# Allegro board pc051c_toplevel_209edited.brd (continued)
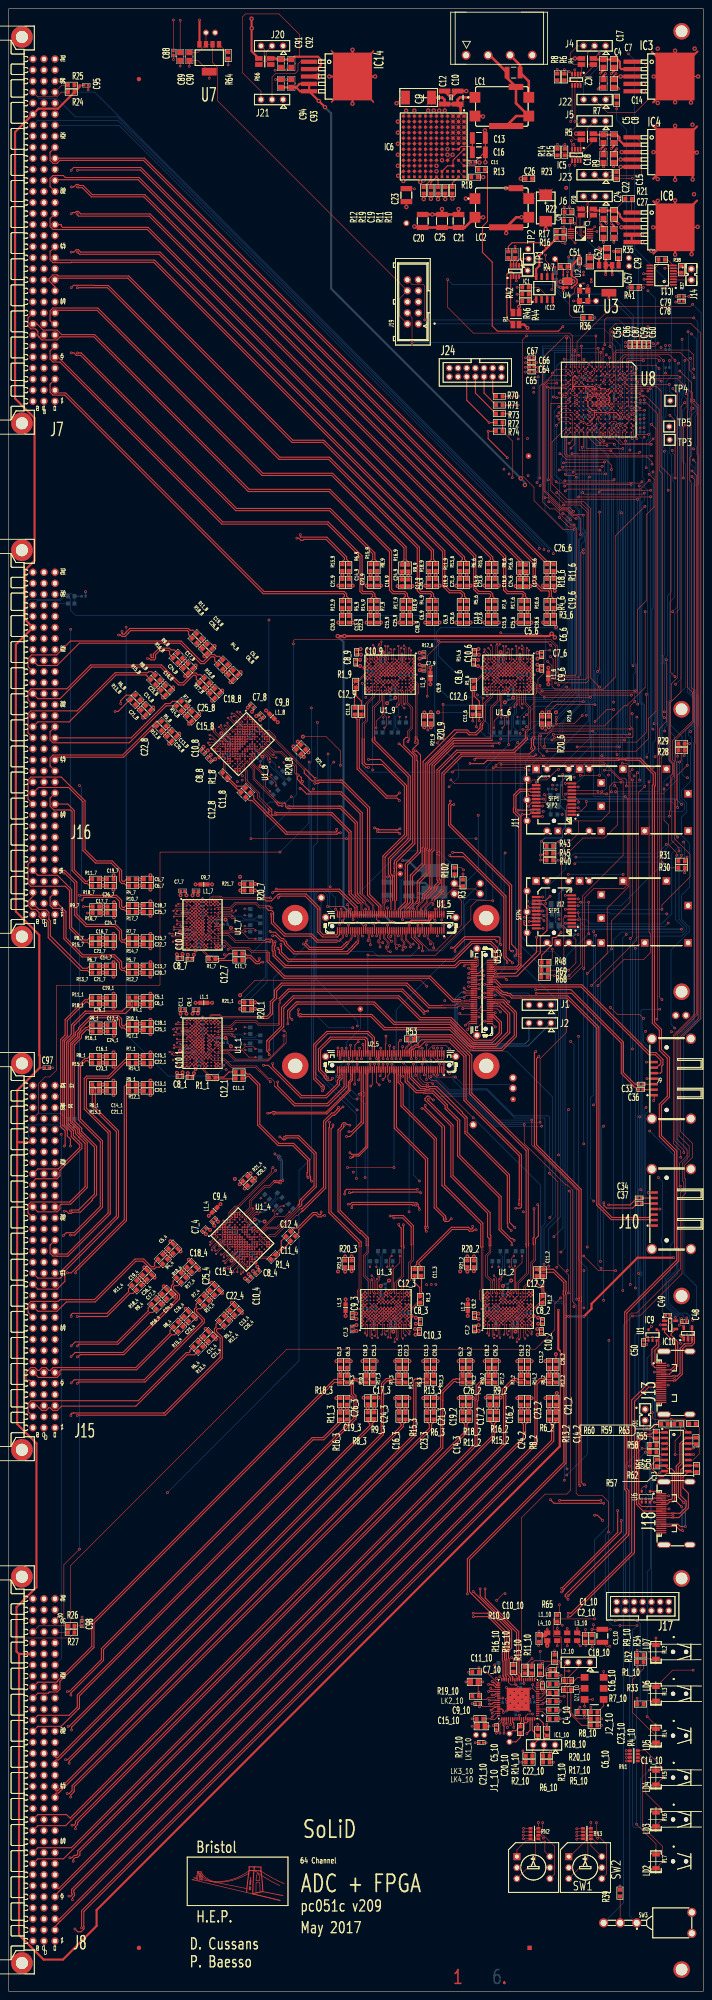
[diagram p0: board, top side]
## Routing (per net, layer and track width the routed paths; a pad name or vN(x,y) marks a point on that pad's centre or on a via; arc(x,y) is an arc through that point) (continued)
  L2 w0.129: 156.9,131.87 J13.23 ; J13.23 156.9,133.63 ; J13.23 155.42,132.75 ; J13.23 158.38,132.75 ; J8.A31 5.59,88.81 ; J8.A31 6.62,87.78 ; J8.A31 4.56,87.78 ; J8.A31 5.59,86.75 ; SFP3.8 122.55,255.5 ; SFP3.8 120.45,255.5 ; SFP3.8 121.5,254.45 ; SFP3.8 121.5,256.55 ; J7.B25 9.16,426.84 ; J7.B25 8.13,425.81 ; J7.B25 7.1,426.84 ; J7.B25 8.13,427.87 ; 7.1,321.44 J16.B30 ; J16.B30 8.13,322.47 ; J16.B30 8.13,320.41 ; J16.B30 9.16,321.44 ; 10.67,25.79 J8.C7 ; J8.C7 10.67,27.85 ; J8.C7 11.7,26.82 ; J8.C7 9.64,26.82 ; J16.B6 9.16,260.48 ; J16.B6 8.13,261.51 ; J16.B6 7.1,260.48 ; J16.B6 8.13,259.45 ; J16.B17 8.13,289.45 ; J16.B17 7.1,288.42 ; J16.B17 9.16,288.42 ; J16.B17 8.13,287.39 ; J16.C4 11.7,255.4 ; J16.C4 10.67,256.43 ; J16.C4 10.67,254.37 ; J16.C4 9.64,255.4 ; 9.64,72.54 J8.C25 ; J8.C25 11.7,72.54 ; J8.C25 10.67,73.57 ; J8.C25 10.67,71.51 ; 10.67,166.75 J15.C16 ; J15.C16 9.64,167.78 ; J15.C16 11.7,167.78 ; J15.C16 10.67,168.81 ; 7.1,293.5 J16.B19 ; J16.B19 8.13,294.53 ; J16.B19 9.16,293.5 ; J16.B19 8.13,292.47 ; 150.93,116.37 J18.20 ; J18.20 152.71,117.25 ; J18.20 149.15,117.25 ; J18.20 150.93,118.13 ; J7.A28 5.59,435.49 ; J7.A28 6.62,434.46 ; J7.A28 5.59,433.43 ; J7.A28 4.56,434.46 ; 4.56,85.24 J8.A30 ; J8.A30 6.62,85.24 ; J8.A30 5.59,84.21 ; J8.A30 5.59,86.27 ; SFP2.1 120.4,269.33 ; SFP2.1 118.4,269.33 ; SFP2.1 119.4,268.33 ; SFP2.1 119.4,270.33 ; J16.C1 10.67,248.81 ; J16.C1 11.7,247.78 ; J16.C1 9.64,247.78 ; J16.C1 10.67,246.75 ; 148.14,169.42 J10.8 ; J10.8 149.52,170.8 ; J10.8 146.76,170.8 ; J10.8 148.14,172.18 ; J2.2 122.36,223.74 ; J2.2 121.42,222.8 ; J2.2 122.36,221.86 ; J2.2 123.3,222.8 ; J16.B23 9.16,303.66 ; J16.B23 8.13,302.63 ; J16.B23 7.1,303.66 ; J16.B23 8.13,304.69 ; J16.A30 6.62,321.44 ; J16.A30 4.56,321.44 ; J16.A30 5.59,320.41 ; J16.A30 5.59,322.47 ; 7.1,203.34 J15.B30 ; J15.B30 8.13,202.31 ; J15.B30 8.13,204.37 ; J15.B30 9.16,203.34 ; SFP3.10 137.55,246.93 ; SFP3.10 136.5,245.88 ; SFP3.10 135.45,246.93 ; SFP3.10 136.5,247.98 ; 9.64,396.36 J7.C13 ; J7.C13 11.7,396.36 ; J7.C13 10.67,397.39 ; J7.C13 10.67,395.33 ; 10.67,197.23 J15.C28 ; J15.C28 10.67,199.29 ; J15.C28 11.7,198.26 ; J15.C28 9.64,198.26 ; J15.A19 6.62,175.4 ; J15.A19 5.59,174.37 ; J15.A19 4.56,175.4 ; J15.A19 5.59,176.43 ; J16.B31 9.16,323.98 ; J16.B31 8.13,322.95 ; J16.B31 7.1,323.98 ; J16.B31 8.13,325.01 ; 5.59,159.13 J15.A13 ; J15.A13 6.62,160.16 ; J15.A13 4.56,160.16 ; J15.A13 5.59,161.19 ; 7.1,398.9 J7.B14 ; J7.B14 8.13,397.87 ; J7.B14 9.16,398.9 ; J7.B14 8.13,399.93 ; 4.56,373.5 J7.A4 ; J7.A4 5.59,374.53 ; J7.A4 5.59,372.47 ; J7.A4 6.62,373.5 ; J15.B5 8.13,140.87 ; J15.B5 9.16,139.84 ; J15.B5 8.13,138.81 ; J15.B5 7.1,139.84 ; 7.1,444.62 J7.B32 ; J7.B32 9.16,444.62 ; J7.B32 8.13,445.65 ; J7.B32 8.13,443.59 ; 140.45,281.25 SFP1.6 ; SFP1.6 142.55,281.25 ; SFP1.6 141.5,280.2 ; 8.13,433.43 J7.B28 ; J7.B28 7.1,434.46 ; J7.B28 9.16,434.46 ; J7.B28 8.13,435.49 ; 125.55,267 SFP1.4 ; SFP1.4 126.5,267.95 ; SFP1.4 127.45,267 ; SFP1.4 126.5,266.05 ; J6.1 138.44,413 ; J6.1 136.56,413 ; J6.1 137.5,413.94 ; J6.1 137.5,412.06 ; 4.56,403.98 J7.A16 ; J7.A16 5.59,402.95 ; J7.A16 6.62,403.98 ; J7.A16 5.59,405.01 ; J7.C4 11.7,373.5 ; J7.C4 10.67,374.53 ; J7.C4 10.67,372.47 ; J7.C4 9.64,373.5 ; 7.1,39.52 J8.B12 ; J8.B12 9.16,39.52 ; J8.B12 8.13,40.55 ; J8.B12 8.13,38.49 ; 7.1,301.12 J16.B22 ; J16.B22 8.13,300.09 ; J16.B22 8.13,302.15 ; J16.B22 9.16,301.12 ; 8.13,372.47 J7.B4 ; J7.B4 9.16,373.5 ; J7.B4 8.13,374.53 ; J7.B4 7.1,373.5 ; 107.5,372.57 J24.7 ; J24.7 106.56,373.51 ; J24.7 108.44,373.51 ; J24.7 107.5,374.45 ; 8.13,256.91 J16.B5 ; J16.B5 7.1,257.94 ; J16.B5 8.13,258.97 ; J16.B5 9.16,257.94 ; J15.B25 8.13,191.67 ; J15.B25 7.1,190.64 ; J15.B25 9.16,190.64 ; J15.B25 8.13,189.61 ; 8.13,51.19 J8.B17 ; J8.B17 9.16,52.22 ; J8.B17 7.1,52.22 ; J8.B17 8.13,53.25 ; 5.59,246.75 J16.A1 ; J16.A1 5.59,248.81 ; J16.A1 6.62,247.78 ; J16.A1 4.56,247.78 ; SFP3.4 126.5,242.2 ; SFP3.4 127.45,241.25 ; SFP3.4 126.5,240.3 ; SFP3.4 125.55,241.25 ; J7.C19 10.67,412.63 ; J7.C19 9.64,411.6 ; J7.C19 10.67,410.57 ; J7.C19 11.7,411.6 ; J16.B1 8.13,248.81 ; J16.B1 8.13,246.75 ; J16.B1 7.1,247.78 ; J16.B1 9.16,247.78 ; SFP1.3 137.55,267 ; SFP1.3 135.45,267 ; SFP1.3 136.5,268.05 ; SFP1.3 136.5,265.95 ; 9.64,419.22 J7.C22 ; J7.C22 10.67,418.19 ; J7.C22 11.7,419.22 ; J7.C22 10.67,420.25 ; 7.1,376.04 J7.B5 ; J7.B5 8.13,377.07 ; J7.B5 8.13,375.01 ; J7.B5 9.16,376.04 ; 8.13,199.77 J15.B29 ; J15.B29 8.13,201.83 ; J15.B29 9.16,200.8 ; J15.B29 7.1,200.8 ; J24.5 110.44,373.51 ; J24.5 109.5,374.45 ; J24.5 109.5,372.57 ; J24.5 108.56,373.51 ; 8.13,413.11 J7.B20 ; J7.B20 8.13,415.17 ; J7.B20 9.16,414.14 ; J7.B20 7.1,414.14 ; J16.B8 8.13,266.59 ; J16.B8 7.1,265.56 ; J16.B8 8.13,264.53 ; J16.B8 9.16,265.56 ; SFP3.15 133.7,256.5 ; SFP3.15 133.7,254.5 ; SFP3.15 134.7,255.5 ; SFP3.15 132.7,255.5 ; SFP1.2 146.5,268.05 ; SFP1.2 147.55,267 ; SFP1.2 146.5,265.95 ; SFP1.2 145.45,267 ; J8.B23 9.16,67.46 ; J8.B23 8.13,66.43 ; J8.B23 8.13,68.49 ; J8.B23 7.1,67.46 ; 5.59,71.51 J8.A25 ; J8.A25 6.62,72.54 ; J8.A25 5.59,73.57 ; J8.A25 4.56,72.54 ; 7.1,14.12 J8.B2 ; J8.B2 8.13,15.15 ; J8.B2 9.16,14.12 ; J8.B2 8.13,13.09 ; 123,281.25 SFP1.17 ; SFP1.17 124,280.25 ; SFP1.17 124,282.25 ; SFP1.17 125,281.25 ; LK2_5.1 113.1,212.95 ; LK2_5.1 110,216.05 ; LK2_5.1 106.9,212.95 ; LK2_5.1 110,209.85 ; J16.B20 9.16,296.04 ; J16.B20 7.1,296.04 ; J16.B20 8.13,295.01 ; J16.B20 8.13,297.07 ; 8.13,76.59 J8.B27 ; J8.B27 9.16,77.62 ; J8.B27 7.1,77.62 ; J8.B27 8.13,78.65 ; 7.1,87.78 J8.B31 ; J8.B31 9.16,87.78 ; J8.B31 8.13,86.75 ; J8.B31 8.13,88.81 ; J16.C25 10.67,309.77 ; J16.C25 11.7,308.74 ; J16.C25 10.67,307.71 ; J16.C25 9.64,308.74 ; 136.5,277.03 SFP1.11 ; SFP1.11 136.5,279.13 ; SFP1.11 137.55,278.08 ; SFP1.11 135.45,278.08 ; 8.13,267.07 J16.B9 ; J16.B9 7.1,268.1 ; J16.B9 8.13,269.13 ; J16.B9 9.16,268.1 ; 66,243.85 LK3_5.1 ; LK3_5.1 66,250.05 ; LK3_5.1 62.9,246.95 ; LK3_5.1 69.1,246.95 ; 7.1,208.42 J15.B32 ; J15.B32 9.16,208.42 ; J15.B32 8.13,209.45 ; J15.B32 8.13,207.39 ; J15.B28 8.13,199.29 ; J15.B28 9.16,198.26 ; J15.B28 8.13,197.23 ; J15.B28 7.1,198.26 ; J7.B21 9.16,416.68 ; J7.B21 8.13,415.65 ; J7.B21 7.1,416.68 ; J7.B21 8.13,417.71 ; J7.B2 9.16,368.42 ; J7.B2 8.13,367.39 ; J7.B2 8.13,369.45 ; J7.B2 7.1,368.42 ; J16.C30 10.67,322.47 ; J16.C30 9.64,321.44 ; J16.C30 11.7,321.44 ; J16.C30 10.67,320.41 ; J24.9 106.44,373.51 ; J24.9 104.56,373.51 ; J24.9 105.5,372.57 ; J24.9 105.5,374.45 ; J15.B16 9.16,167.78 ; J15.B16 7.1,167.78 ; J15.B16 8.13,168.81 ; J15.B16 8.13,166.75 ; 7.1,142.38 J15.B6 ; J15.B6 8.13,141.35 ; J15.B6 9.16,142.38 ; J15.B6 8.13,143.41 ; J7.B16 8.13,405.01 ; J7.B16 7.1,403.98 ; J7.B16 8.13,402.95 ; J7.B16 9.16,403.98 ; 8.13,61.35 J8.B21 ; J8.B21 7.1,62.38 ; J8.B21 9.16,62.38 ; J8.B21 8.13,63.41 ; J16.B15 9.16,283.34 ; J16.B15 8.13,284.37 ; J16.B15 7.1,283.34 ; J16.B15 8.13,282.31 ; 155.42,117.25 J18.22 ; J18.22 158.38,117.25 ; J18.22 156.9,116.37 ; J18.22 156.9,118.13 ; J8.B15 9.16,47.14 ; J8.B15 7.1,47.14 ; J8.B15 8.13,46.11 ; J8.B15 8.13,48.17 ; 7.1,442.08 J7.B31 ; J7.B31 9.16,442.08 ; J7.B31 8.13,441.05 ; J7.B31 8.13,443.11 ; J8.B8 9.16,29.36 ; J8.B8 8.13,30.39 ; J8.B8 7.1,29.36 ; J8.B8 8.13,28.33 ; 5.59,277.23 J16.A13 ; J16.A13 6.62,278.26 ; J16.A13 4.56,278.26 ; J16.A13 5.59,279.29 ; 7.1,185.56 J15.B23 ; J15.B23 9.16,185.56 ; J15.B23 8.13,184.53 ; J15.B23 8.13,186.59 ; 148.14,187.82 J10.9 ; J10.9 149.52,189.2 ; J10.9 148.14,190.58 ; J10.9 146.76,189.2 ; J8.C16 10.67,50.71 ; J8.C16 10.67,48.65 ; J8.C16 9.64,49.68 ; J8.C16 11.7,49.68 ; 111.5,372.57 J24.3 ; J24.3 110.56,373.51 ; J24.3 112.44,373.51 ; J24.3 111.5,374.45 ; 10.67,189.61 J15.C25 ; J15.C25 9.64,190.64 ; J15.C25 10.67,191.67 ; J15.C25 11.7,190.64 ; 10.67,41.03 J8.C13 ; J8.C13 11.7,42.06 ; J8.C13 10.67,43.09 ; J8.C13 9.64,42.06 ; 8.13,171.83 J15.B18 ; J15.B18 7.1,172.86 ; J15.B18 9.16,172.86 ; J15.B18 8.13,173.89 ; SFP3.9 156.5,250.88 ; SFP3.9 157.55,249.83 ; SFP3.9 155.45,249.83 ; SFP3.9 156.5,248.78 ; 5.59,284.85 J16.A16 ; J16.A16 4.56,285.88 ; J16.A16 6.62,285.88 ; J16.A16 5.59,286.91 ; 4.56,316.36 J16.A28 ; J16.A28 5.59,317.39 ; J16.A28 6.62,316.36 ; J16.A28 5.59,315.33 ; 5.59,300.09 J16.A22 ; J16.A22 4.56,301.12 ; J16.A22 6.62,301.12 ; J16.A22 5.59,302.15 ; J8.B16 8.13,50.71 ; J8.B16 7.1,49.68 ; J8.B16 9.16,49.68 ; J8.B16 8.13,48.65 ; J15.B27 8.13,196.75 ; J15.B27 7.1,195.72 ; J15.B27 9.16,195.72 ; J15.B27 8.13,194.69 ; J7.B11 9.16,391.28 ; J7.B11 7.1,391.28 ; J7.B11 8.13,390.25 ; J7.B11 8.13,392.31 ; J16.B21 9.16,298.58 ; J16.B21 7.1,298.58 ; J16.B21 8.13,299.61 ; J16.B21 8.13,297.55 ; J7.B27 9.16,431.92 ; J7.B27 8.13,432.95 ; J7.B27 8.13,430.89 ; J7.B27 7.1,431.92 ; 129,266 SFP1.13 ; SFP1.13 129,268 ; SFP1.13 128,267 ; SFP1.13 130,267 ; J16.B16 8.13,286.91 ; J16.B16 9.16,285.88 ; J16.B16 7.1,285.88 ; J16.B16 8.13,284.85 ; 129,280.25 SFP1.16 ; SFP1.16 129,282.25 ; SFP1.16 128,281.25 ; SFP1.16 130,281.25 ; 8.13,261.99 J16.B7 ; J16.B7 9.16,263.02 ; J16.B7 7.1,263.02 ; J16.B7 8.13,264.05 ; 155.42,147.25 J13.22 ; J13.22 156.9,148.13 ; J13.22 156.9,146.37 ; J13.22 158.38,147.25 ; J17.9 148.99,87.6 ; J17.9 147.11,87.6 ; J17.9 148.05,86.66 ; J17.9 148.05,88.54 ; LK9.1 154.64,224.55 ; LK9.1 153.65,223.56 ; LK9.1 153.65,225.54 ; LK9.1 152.66,224.55 ; 7.1,419.22 J7.B22 ; J7.B22 8.13,418.19 ; J7.B22 9.16,419.22 ; J7.B22 8.13,420.25 ; 9.64,301.12 J16.C22 ; J16.C22 10.67,302.15 ; J16.C22 11.7,301.12 ; J16.C22 10.67,300.09 ; SFP2.2 119.4,275.13 ; SFP2.2 118.4,274.13 ; SFP2.2 119.4,273.13 ; SFP2.2 120.4,274.13 ; 129,254.5 SFP3.16 ; SFP3.16 130,255.5 ; SFP3.16 128,255.5 ; SFP3.16 129,256.5 ; J8.B3 9.16,16.66 ; J8.B3 8.13,15.63 ; J8.B3 7.1,16.66 ; J8.B3 8.13,17.69 ; J8.C19 11.7,57.3 ; J8.C19 9.64,57.3 ; J8.C19 10.67,56.27 ; J8.C19 10.67,58.33 ; J16.C28 11.7,316.36 ; J16.C28 10.67,317.39 ; J16.C28 9.64,316.36 ; J16.C28 10.67,315.33 ; 5.59,143.89 J15.A7 ; J15.A7 5.59,145.95 ; J15.A7 4.56,144.92 ; J15.A7 6.62,144.92 ; J8.B29 8.13,83.73 ; J8.B29 9.16,82.7 ; J8.B29 7.1,82.7 ; J8.B29 8.13,81.67 ; 5.59,166.75 J15.A16 ; J15.A16 5.59,168.81 ; J15.A16 6.62,167.78 ; J15.A16 4.56,167.78 ; J15.B13 8.13,161.19 ; J15.B13 8.13,159.13 ; J15.B13 9.16,160.16 ; J15.B13 7.1,160.16 ; J16.B27 8.13,314.85 ; J16.B27 7.1,313.82 ; J16.B27 8.13,312.79 ; J16.B27 9.16,313.82 ; J7.B1 9.16,365.88 ; J7.B1 7.1,365.88 ; J7.B1 8.13,364.85 ; J7.B1 8.13,366.91 ; J15.B20 8.13,178.97 ; J15.B20 7.1,177.94 ; J15.B20 8.13,176.91 ; J15.B20 9.16,177.94 ; 7.1,381.12 J7.B7 ; J7.B7 8.13,380.09 ; J7.B7 8.13,382.15 ; J7.B7 9.16,381.12 ; J15.B24 9.16,188.1 ; J15.B24 8.13,187.07 ; J15.B24 7.1,188.1 ; J15.B24 8.13,189.13 ; 10.67,322.95 J16.C31 ; J16.C31 9.64,323.98 ; J16.C31 11.7,323.98 ; J16.C31 10.67,325.01 ; 94.37,392.8 J19.9 ; J19.9 93.34,393.83 ; J19.9 94.37,394.86 ; J19.9 95.4,393.83 ; J17.7 146.99,87.6 ; J17.7 146.05,86.66 ; J17.7 146.05,88.54 ; J17.7 145.11,87.6 ; 8.13,279.77 J16.B14 ; J16.B14 9.16,280.8 ; J16.B14 8.13,281.83 ; J16.B14 7.1,280.8 ; SFP3.7 131.5,256.55 ; SFP3.7 132.55,255.5 ; SFP3.7 131.5,254.45 ; SFP3.7 130.45,255.5 ; 8.13,10.55 J8.B1 ; J8.B1 8.13,12.61 ; J8.B1 7.1,11.58 ; J8.B1 9.16,11.58 ; 149.15,147.25 J13.20 ; J13.20 150.93,146.37 ; J13.20 152.71,147.25 ; J13.20 150.93,148.13 ; 140.45,255.5 SFP3.6 ; SFP3.6 142.55,255.5 ; SFP3.6 141.5,254.45 ; J7.B23 8.13,422.79 ; J7.B23 9.16,421.76 ; J7.B23 8.13,420.73 ; J7.B23 7.1,421.76 ; J7.B6 8.13,379.61 ; J7.B6 9.16,378.58 ; J7.B6 8.13,377.55 ; J7.B6 7.1,378.58 ; 46.74,450.7 LK21.1 ; LK21.1 47.55,449.89 ; LK21.1 47.55,451.51 ; LK21.1 48.36,450.7 ; J8.C22 11.7,64.92 ; J8.C22 10.67,65.95 ; J8.C22 10.67,63.89 ; J8.C22 9.64,64.92 ; J16.C16 11.7,285.88 ; J16.C16 10.67,284.85 ; J16.C16 9.64,285.88 ; J16.C16 10.67,286.91 ; J16.C10 10.67,271.67 ; J16.C10 9.64,270.64 ; J16.C10 10.67,269.61 ; J16.C10 11.7,270.64 ; 7.1,370.96 J7.B3 ; J7.B3 8.13,369.93 ; J7.B3 9.16,370.96 ; J7.B3 8.13,371.99 ; 124.91,56.7 J1_10.1 ; J1_10.1 126.79,56.7 ; J1_10.1 125.85,57.64 ; J1_10.1 125.85,55.76 ; 135.45,252.33 SFP3.11 ; SFP3.11 137.55,252.33 ; SFP3.11 136.5,253.38 ; SFP3.11 136.5,251.28 ; SFP3.17 124,256.5 ; SFP3.17 123,255.5 ; SFP3.17 125,255.5 ; SFP3.17 124,254.5 ; 8.13,20.71 J8.B5 ; J8.B5 7.1,21.74 ; J8.B5 9.16,21.74 ; J8.B5 8.13,22.77 ; J7.C7 10.67,382.15 ; J7.C7 9.64,381.12 ; J7.C7 11.7,381.12 ; J7.C7 10.67,380.09 ; J7.B30 9.16,439.54 ; J7.B30 8.13,440.57 ; J7.B30 7.1,439.54 ; J7.B30 8.13,438.51 ; J7.B17 9.16,406.52 ; J7.B17 8.13,405.49 ; J7.B17 8.13,407.55 ; J7.B17 7.1,406.52 ; 62.26,447.65 J20.1 ; J20.1 64.14,447.65 ; J20.1 63.2,446.71 ; J20.1 63.2,448.59 ; J16.B2 8.13,251.35 ; J16.B2 8.13,249.29 ; J16.B2 7.1,250.32 ; J16.B2 9.16,250.32 ; J15.C19 11.7,175.4 ; J15.C19 9.64,175.4 ; J15.C19 10.67,176.43 ; J15.C19 10.67,174.37 ; 133.7,240.25 SFP3.12 ; SFP3.12 134.7,241.25 ; SFP3.12 132.7,241.25 ; SFP3.12 133.7,242.25 ; 4.56,11.58 J8.A1 ; J8.A1 6.62,11.58 ; J8.A1 5.59,10.55 ; J8.A1 5.59,12.61 ; 7.1,144.92 J15.B7 ; J15.B7 8.13,145.95 ; J15.B7 9.16,144.92 ; J15.B7 8.13,143.89 ; 8.13,428.35 J7.B26 ; J7.B26 7.1,429.38 ; J7.B26 8.13,430.41 ; J7.B26 9.16,429.38 ; 103.5,372.57 J24.11 ; J24.11 102.56,373.51 ; J24.11 104.44,373.51 ; J24.11 103.5,374.45 ; J15.B14 9.16,162.7 ; J15.B14 7.1,162.7 ; J15.B14 8.13,161.67 ; J15.B14 8.13,163.73 ; J15.B4 9.16,137.3 ; J15.B4 7.1,137.3 ; J15.B4 8.13,138.33 ; J15.B4 8.13,136.27 ; J7.A13 5.59,397.39 ; J7.A13 6.62,396.36 ; J7.A13 5.59,395.33 ; J7.A13 4.56,396.36 ; J15.C22 11.7,183.02 ; J15.C22 9.64,183.02 ; J15.C22 10.67,184.05 ; J15.C22 10.67,181.99 ; LK1_5.1 66,216.05 ; LK1_5.1 62.9,212.95 ; LK1_5.1 69.1,212.95 ; LK1_5.1 66,209.85 ; 7.1,396.36 J7.B13 ; J7.B13 9.16,396.36 ; J7.B13 8.13,397.39 ; J7.B13 8.13,395.33 ; 8.13,408.03 J7.B18 ; J7.B18 8.13,410.09 ; J7.B18 7.1,409.06 ; J7.B18 9.16,409.06 ; 4.56,293.5 J16.A19 ; J16.A19 6.62,293.5 ; J16.A19 5.59,292.47 ; J16.A19 5.59,294.53 ; J8.C4 11.7,19.2 ; J8.C4 9.64,19.2 ; J8.C4 10.67,18.17 ; J8.C4 10.67,20.23 ; J15.B19 8.13,176.43 ; J15.B19 9.16,175.4 ; J15.B19 8.13,174.37 ; J15.B19 7.1,175.4 ; J15.C31 10.67,206.91 ; J15.C31 9.64,205.88 ; J15.C31 10.67,204.85 ; J15.C31 11.7,205.88 ; 10.67,438.51 J7.C30 ; J7.C30 9.64,439.54 ; J7.C30 11.7,439.54 ; J7.C30 10.67,440.57 ; 10.67,277.23 J16.C13 ; J16.C13 10.67,279.29 ; J16.C13 9.64,278.26 ; J16.C13 11.7,278.26 ; 7.1,157.62 J15.B12 ; J15.B12 8.13,156.59 ; J15.B12 8.13,158.65 ; J15.B12 9.16,157.62 ; J15.A10 5.59,153.57 ; J15.A10 4.56,152.54 ; J15.A10 6.62,152.54 ; J15.A10 5.59,151.51 ; SFP1.12 134.7,267 ; SFP1.12 133.7,266 ; SFP1.12 133.7,268 ; SFP1.12 132.7,267 ; J9.9 148.14,220.58 ; J9.9 148.14,217.82 ; J9.9 146.76,219.2 ; J9.9 149.52,219.2 ; 7.1,57.3 J8.B19 ; J8.B19 8.13,58.33 ; J8.B19 9.16,57.3 ; J8.B19 8.13,56.27 ; J7.A10 6.62,388.74 ; J7.A10 5.59,387.71 ; J7.A10 5.59,389.77 ; J7.A10 4.56,388.74 ; J15.B1 9.16,129.68 ; J15.B1 7.1,129.68 ; J15.B1 8.13,130.71 ; J15.B1 8.13,128.65 ; 156.5,274.53 SFP1.9 ; SFP1.9 155.45,275.58 ; SFP1.9 156.5,276.63 ; SFP1.9 157.55,275.58 ; J16.A10 6.62,270.64 ; J16.A10 5.59,271.67 ; J16.A10 4.56,270.64 ; J16.A10 5.59,269.61 ; SFP1.7 131.5,282.3 ; SFP1.7 130.45,281.25 ; SFP1.7 132.55,281.25 ; J15.B10 8.13,153.57 ; J15.B10 7.1,152.54 ; J15.B10 9.16,152.54 ; J15.B10 8.13,151.51 ; 150.45,255.5 SFP3.5 ; SFP3.5 151.5,254.45 ; SFP3.5 152.55,255.5 ; SFP3.5 151.5,256.55 ; 118.4,278.93 SFP2.3 ; SFP2.3 120.4,278.93 ; SFP2.3 119.4,279.93 ; SFP2.3 119.4,277.93 ; 157.14,169.42 J10.10 ; J10.10 158.52,170.8 ; J10.10 157.14,172.18 ; J10.10 155.76,170.8 ; J16.A25 6.62,308.74 ; J16.A25 4.56,308.74 ; J16.A25 5.59,309.77 ; J16.A25 5.59,307.71 ; 10.67,433.43 J7.C28 ; J7.C28 11.7,434.46 ; J7.C28 9.64,434.46 ; J7.C28 10.67,435.49 ; 149.15,132.75 J13.21 ; J13.21 150.93,131.87 ; J13.21 150.93,133.63 ; J13.21 152.71,132.75 ; J16.B10 8.13,271.67 ; J16.B10 7.1,270.64 ; J16.B10 8.13,269.61 ; J16.B10 9.16,270.64 ; SFP3.13 129,242.25 ; SFP3.13 128,241.25 ; SFP3.13 130,241.25 ; SFP3.13 129,240.25 ; 7.1,36.98 J8.B11 ; J8.B11 8.13,35.95 ; J8.B11 9.16,36.98 ; J8.B11 8.13,38.01 ; J7.A22 5.59,420.25 ; J7.A22 4.56,419.22 ; J7.A22 5.59,418.19 ; J7.A22 6.62,419.22 ; 8.13,148.97 J15.B9 ; J15.B9 7.1,150 ; J15.B9 8.13,151.03 ; J15.B9 9.16,150 ; 4.56,183.02 J15.A22 ; J15.A22 5.59,181.99 ; J15.A22 5.59,184.05 ; J15.A22 6.62,183.02 ; SFP1.10 137.55,272.68 ; SFP1.10 135.45,272.68 ; SFP1.10 136.5,271.63 ; SFP1.10 136.5,273.73 ; 8.13,307.71 J16.B25 ; J16.B25 7.1,308.74 ; J16.B25 9.16,308.74 ; J16.B25 8.13,309.77 ; J15.A28 6.62,198.26 ; J15.A28 4.56,198.26 ; J15.A28 5.59,197.23 ; J15.A28 5.59,199.29 ; SFP1.5 152.55,281.25 ; SFP1.5 151.5,282.3 ; SFP1.5 151.5,280.2 ; SFP1.5 150.45,281.25 ; J8.C31 10.67,88.81 ; J8.C31 9.64,87.78 ; J8.C31 11.7,87.78 ; J8.C31 10.67,86.75 ; LK19.1 107,200.39 ; LK19.1 106.01,199.4 ; LK19.1 107,198.41 ; LK19.1 107.99,199.4 ; LK15.1 142.85,399.66 ; LK15.1 142.04,398.85 ; LK15.1 142.85,398.04 ; LK15.1 143.66,398.85 ; J8.B13 9.16,42.06 ; J8.B13 8.13,43.09 ; J8.B13 7.1,42.06 ; J8.B13 8.13,41.03 ; J7.B9 8.13,387.23 ; J7.B9 8.13,385.17 ; J7.B9 7.1,386.2 ; J7.B9 9.16,386.2 ; J8.A28 5.59,81.19 ; J8.A28 6.62,80.16 ; J8.A28 4.56,80.16 ; J8.A28 5.59,79.13 ; 124,266 SFP1.14 ; SFP1.14 123,267 ; SFP1.14 125,267 ; SFP1.14 124,268 ; J8.B32 9.16,90.32 ; J8.B32 7.1,90.32 ; J8.B32 8.13,91.35 ; J8.B32 8.13,89.29 ; 9.64,426.84 J7.C25 ; J7.C25 10.67,427.87 ; J7.C25 10.67,425.81 ; J7.C25 11.7,426.84 ; 8.13,289.93 J16.B18 ; J16.B18 9.16,290.96 ; J16.B18 8.13,291.99 ; J16.B18 7.1,290.96 ; 146.6,132.94 J31.1 ; J31.1 145.62,133.92 ; J31.1 146.6,134.9 ; J31.1 147.58,133.92 ; J16.A31 6.62,323.98 ; J16.A31 5.59,322.95 ; J16.A31 4.56,323.98 ; J16.A31 5.59,325.01 ; J17.5 144.05,88.54 ; J17.5 143.11,87.6 ; J17.5 144.99,87.6 ; J17.5 144.05,86.66 ; 133.85,74.76 J2_10.1 ; J2_10.1 132.91,75.7 ; J2_10.1 133.85,76.64 ; J2_10.1 134.79,75.7 ; 5.59,438.51 J7.A30 ; J7.A30 4.56,439.54 ; J7.A30 5.59,440.57 ; J7.A30 6.62,439.54 ; 8.13,317.87 J16.B29 ; J16.B29 9.16,318.9 ; J16.B29 8.13,319.93 ; J16.B29 7.1,318.9 ; 146.76,200.8 J9.8 ; J9.8 148.14,202.18 ; J9.8 149.52,200.8 ; J9.8 148.14,199.42 ; J7.A7 6.62,381.12 ; J7.A7 5.59,380.09 ; J7.A7 4.56,381.12 ; J7.A7 5.59,382.15 ; J15.B2 9.16,132.22 ; J15.B2 7.1,132.22 ; J15.B2 8.13,133.25 ; J15.B2 8.13,131.19 ; J1.2 123.3,226.95 ; J1.2 122.36,226.01 ; J1.2 122.36,227.89 ; J1.2 121.42,226.95 ; J15.C13 10.67,161.19 ; J15.C13 10.67,159.13 ; J15.C13 11.7,160.16 ; J15.C13 9.64,160.16 ; J8.B4 9.16,19.2 ; J8.B4 8.13,18.17 ; J8.B4 7.1,19.2 ; J8.B4 8.13,20.23 ; J15.C30 11.7,203.34 ; J15.C30 10.67,202.31 ; J15.C30 10.67,204.37 ; J15.C30 9.64,203.34 ; 9.64,152.54 J15.C10 ; J15.C10 10.67,151.51 ; J15.C10 10.67,153.57 ; J15.C10 11.7,152.54 ; 8.13,181.99 J15.B22 ; J15.B22 7.1,183.02 ; J15.B22 8.13,184.05 ; J15.B22 9.16,183.02 ; J16.B28 8.13,317.39 ; J16.B28 9.16,316.36 ; J16.B28 8.13,315.33 ; J16.B28 7.1,316.36 ; J8.B18 8.13,55.79 ; J8.B18 8.13,53.73 ; J8.B18 7.1,54.76 ; J8.B18 9.16,54.76 ; 7.1,59.84 J8.B20 ; J8.B20 9.16,59.84 ; J8.B20 8.13,58.81 ; J8.B20 8.13,60.87 ; 155.76,219.2 J9.11 ; J9.11 158.52,219.2 ; J9.11 157.14,217.82 ; J9.11 157.14,220.58 ; J15.A30 6.62,203.34 ; J15.A30 5.59,202.31 ; J15.A30 4.56,203.34 ; J15.A30 5.59,204.37 ; SFP3.3 137.55,241.25 ; SFP3.3 136.5,242.3 ; SFP3.3 135.45,241.25 ; SFP3.3 136.5,240.2 ; J7.C10 10.67,389.77 ; J7.C10 11.7,388.74 ; J7.C10 10.67,387.71 ; J7.C10 9.64,388.74 ; 118.4,243.58 SFP4.1 ; SFP4.1 119.4,242.58 ; SFP4.1 119.4,244.58 ; SFP4.1 120.4,243.58 ; J15.B15 8.13,166.27 ; J15.B15 8.13,164.21 ; J15.B15 9.16,165.24 ; J15.B15 7.1,165.24 ; J10.11 157.14,190.58 ; J10.11 157.14,187.82 ; J10.11 158.52,189.2 ; J10.11 155.76,189.2 ; J8.C10 11.7,34.44 ; J8.C10 10.67,35.47 ; J8.C10 9.64,34.44 ; J8.C10 10.67,33.41 ; J3.1 106.54,445.5 ; J3.1 105.35,446.69 ; J3.1 104.16,445.5 ; J3.1 105.35,444.31 ; J7.A19 5.59,412.63 ; J7.A19 6.62,411.6 ; J7.A19 4.56,411.6 ; J7.A19 5.59,410.57 ; J19.3 94.37,387.24 ; J19.3 93.34,386.21 ; J19.3 95.4,386.21 ; J19.3 94.37,385.18 ; 9.64,442.08 J7.C31 ; J7.C31 10.67,441.05 ; J7.C31 11.7,442.08 ; J7.C31 10.67,443.11 ; J8.A19 6.62,57.3 ; J8.A19 4.56,57.3 ; J8.A19 5.59,56.27 ; J8.A19 5.59,58.33 ; J9.10 157.14,202.18 ; J9.10 157.14,199.42 ; J9.10 155.76,200.8 ; J9.10 158.52,200.8 ; 10.67,79.13 J8.C28 ; J8.C28 11.7,80.16 ; J8.C28 9.64,80.16 ; J8.C28 10.67,81.19 ; J15.C4 10.67,138.33 ; J15.C4 9.64,137.3 ; J15.C4 11.7,137.3 ; J15.C4 10.67,136.27 ; 5.59,63.89 J8.A22 ; J8.A22 5.59,65.95 ; J8.A22 4.56,64.92 ; J8.A22 6.62,64.92 ; 9.64,11.58 J8.C1 ; J8.C1 10.67,12.61 ; J8.C1 10.67,10.55 ; J8.C1 11.7,11.58 ; J8.B25 9.16,72.54 ; J8.B25 7.1,72.54 ; J8.B25 8.13,73.57 ; J8.B25 8.13,71.51 ; 5.59,261.99 J16.A7 ; J16.A7 6.62,263.02 ; J16.A7 4.56,263.02 ; J16.A7 5.59,264.05 ; J8.A16 6.62,49.68 ; J8.A16 4.56,49.68 ; J8.A16 5.59,48.65 ; J8.A16 5.59,50.71 ; J4.1 137.5,448.59 ; J4.1 138.44,447.65 ; J4.1 136.56,447.65 ; J4.1 137.5,446.71 ; J15.B8 9.16,147.46 ; J15.B8 8.13,146.43 ; J15.B8 8.13,148.49 ; J15.B8 7.1,147.46 ; 5.59,189.61 J15.A25 ; J15.A25 4.56,190.64 ; J15.A25 5.59,191.67 ; J15.A25 6.62,190.64 ; J5.1 137.5,431.29 ; J5.1 137.5,429.41 ; J5.1 136.56,430.35 ; J5.1 138.44,430.35 ; 5.59,41.03 J8.A13 ; J8.A13 4.56,42.06 ; J8.A13 6.62,42.06 ; J8.A13 5.59,43.09 ; J15.B31 9.16,205.88 ; J15.B31 8.13,204.85 ; J15.B31 8.13,206.91 ; J15.B31 7.1,205.88 ; 155.45,241.25 SFP3.1 ; SFP3.1 156.5,240.2 ; SFP3.1 156.5,242.3 ; SFP3.1 157.55,241.25 ; J15.A4 5.59,138.33 ; J15.A4 5.59,136.27 ; J15.A4 6.62,137.3 ; J15.A4 4.56,137.3 ; J15.B17 8.13,171.35 ; J15.B17 8.13,169.29 ; J15.B17 9.16,170.32 ; J15.B17 7.1,170.32 ; 9.64,263.02 J16.C7 ; J16.C7 11.7,263.02 ; J16.C7 10.67,261.99 ; J16.C7 10.67,264.05 ; 8.13,423.27 J7.B24 ; J7.B24 9.16,424.3 ; J7.B24 7.1,424.3 ; J7.B24 8.13,425.33 ; 8.13,392.79 J7.B12 ; J7.B12 9.16,393.82 ; J7.B12 7.1,393.82 ; J7.B12 8.13,394.85 ; 5.59,25.79 J8.A7 ; J8.A7 5.59,27.85 ; J8.A7 4.56,26.82 ; J8.A7 6.62,26.82 ; 10.67,402.95 J7.C16 ; J7.C16 9.64,403.98 ; J7.C16 11.7,403.98 ; J7.C16 10.67,405.01 ; J7.B29 9.16,437 ; J7.B29 8.13,435.97 ; J7.B29 7.1,437 ; J7.B29 8.13,438.03 ; J16.C19 11.7,293.5 ; J16.C19 10.67,292.47 ; J16.C19 9.64,293.5 ; J16.C19 10.67,294.53 ; 146.5,240.2 SFP3.2 ; SFP3.2 146.5,242.3 ; SFP3.2 147.55,241.25 ; SFP3.2 145.45,241.25 ; 5.59,204.85 J15.A31 ; J15.A31 4.56,205.88 ; J15.A31 6.62,205.88 ; J15.A31 5.59,206.91 ; 7.1,134.76 J15.B3 ; J15.B3 9.16,134.76 ; J15.B3 8.13,133.73 ; J15.B3 8.13,135.79 ; J7.A25 6.62,426.84 ; J7.A25 5.59,425.81 ; J7.A25 4.56,426.84 ; J7.A25 5.59,427.87 ; 8.13,154.05 J15.B11 ; J15.B11 9.16,155.08 ; J15.B11 7.1,155.08 ; J15.B11 8.13,156.11 ; 8.13,251.83 J16.B3 ; J16.B3 9.16,252.86 ; J16.B3 7.1,252.86 ; J16.B3 8.13,253.89 ; J17.11 150.05,88.54 ; J17.11 150.99,87.6 ; J17.11 149.11,87.6 ; J17.11 150.05,86.66 ; 141.11,87.6 J17.3 ; J17.3 142.99,87.6 ; J17.3 142.05,86.66 ; J17.3 142.05,88.54 ; J7.B15 8.13,402.47 ; J7.B15 9.16,401.44 ; J7.B15 7.1,401.44 ; J7.B15 8.13,400.41 ; 156.5,265.95 SFP1.1 ; SFP1.1 155.45,267 ; SFP1.1 157.55,267 ; SFP1.1 156.5,268.05 ; J18.23 156.9,103.63 ; J18.23 156.9,101.87 ; J18.23 158.38,102.75 ; J18.23 155.42,102.75 ; LK4_5.1 110,250.05 ; LK4_5.1 113.1,246.95 ; LK4_5.1 110,243.85 ; LK4_5.1 106.9,246.95 ; J8.B26 9.16,75.08 ; J8.B26 8.13,76.11 ; J8.B26 8.13,74.05 ; J8.B26 7.1,75.08 ; 7.1,85.24 J8.B30 ; J8.B30 8.13,84.21 ; J8.B30 9.16,85.24 ; J8.B30 8.13,86.27 ; J16.B4 8.13,256.43 ; J16.B4 8.13,254.37 ; J16.B4 7.1,255.4 ; J16.B4 9.16,255.4 ; 8.13,274.69 J16.B12 ; J16.B12 7.1,275.72 ; J16.B12 8.13,276.75 ; J16.B12 9.16,275.72 ; J8.B14 9.16,44.6 ; J8.B14 8.13,45.63 ; J8.B14 7.1,44.6 ; J8.B14 8.13,43.57 ; SFP1.8 121.5,282.3 ; SFP1.8 122.55,281.25 ; SFP1.8 121.5,280.2 ; SFP1.8 120.45,281.25 ; LK2_10.1 107.65,59.81 ; LK2_10.1 106.84,59 ; LK2_10.1 107.65,58.19 ; LK2_10.1 108.46,59 ; 4.56,365.88 J7.A1 ; J7.A1 5.59,364.85 ; J7.A1 5.59,366.91 ; J7.A1 6.62,365.88 ; J7.A31 5.59,443.11 ; J7.A31 4.56,442.08 ; J7.A31 6.62,442.08 ; J7.A31 5.59,441.05 ; J8.B24 8.13,71.03 ; J8.B24 8.13,68.97 ; J8.B24 9.16,70 ; J8.B24 7.1,70 ; 4.56,129.68 J15.A1 ; J15.A1 5.59,128.65 ; J15.A1 6.62,129.68 ; J15.A1 5.59,130.71 ; 7.1,180.48 J15.B21 ; J15.B21 8.13,181.51 ; J15.B21 8.13,179.45 ; J15.B21 9.16,180.48 ; 5.59,33.41 J8.A10 ; J8.A10 6.62,34.44 ; J8.A10 4.56,34.44 ; J8.A10 5.59,35.47 ; 7.1,26.82 J8.B7 ; J8.B7 9.16,26.82 ; J8.B7 8.13,27.85 ; J8.B7 8.13,25.79 ; 119.4,247.38 SFP4.2 ; SFP4.2 119.4,249.38 ; SFP4.2 118.4,248.38 ; SFP4.2 120.4,248.38 ; J7.B19 8.13,412.63 ; J7.B19 8.13,410.57 ; J7.B19 9.16,411.6 ; J7.B19 7.1,411.6 ; 133.7,280.25 SFP1.15 ; SFP1.15 132.7,281.25 ; SFP1.15 133.7,282.25 ; SFP1.15 134.7,281.25 ; LK18.1 120.46,400.9 ; LK18.1 118.84,400.9 ; LK18.1 119.65,401.71 ; LK18.1 119.65,400.09 ; 8.13,325.49 J16.B32 ; J16.B32 7.1,326.52 ; J16.B32 8.13,327.55 ; J16.B32 9.16,326.52 ; J16.B13 8.13,279.29 ; J16.B13 9.16,278.26 ; J16.B13 8.13,277.23 ; J16.B13 7.1,278.26 ; 9.64,129.68 J15.C1 ; J15.C1 11.7,129.68 ; J15.C1 10.67,128.65 ; J15.C1 10.67,130.71 ; J8.B28 9.16,80.16 ; J8.B28 8.13,81.19 ; J8.B28 7.1,80.16 ; J8.B28 8.13,79.13 ; J8.B9 9.16,31.9 ; J8.B9 8.13,30.87 ; J8.B9 8.13,32.93 ; J8.B9 7.1,31.9 ; 119.4,252.18 SFP4.3 ; SFP4.3 119.4,254.18 ; SFP4.3 120.4,253.18 ; SFP4.3 118.4,253.18 ; 8.13,310.25 J16.B26 ; J16.B26 7.1,311.28 ; J16.B26 8.13,312.31 ; J16.B26 9.16,311.28 ; 9.64,144.92 J15.C7 ; J15.C7 10.67,145.95 ; J15.C7 11.7,144.92 ; J15.C7 10.67,143.89 ; J16.A4 5.59,256.43 ; J16.A4 4.56,255.4 ; J16.A4 5.59,254.37 ; J16.A4 6.62,255.4 ; J8.C30 11.7,85.24 ; J8.C30 9.64,85.24 ; J8.C30 10.67,84.21 ; J8.C30 10.67,86.27 ; 150.93,101.87 J18.21 ; J18.21 149.15,102.75 ; J18.21 152.71,102.75 ; J18.21 150.93,103.63 ; 8.13,23.25 J8.B6 ; J8.B6 9.16,24.28 ; J8.B6 8.13,25.31 ; J8.B6 7.1,24.28 ; J7.B10 8.13,389.77 ; J7.B10 9.16,388.74 ; J7.B10 8.13,387.71 ; J7.B10 7.1,388.74 ; J8.B22 9.16,64.92 ; J8.B22 8.13,65.95 ; J8.B22 8.13,63.89 ; J8.B22 7.1,64.92 ; J8.B10 8.13,35.47 ; J8.B10 9.16,34.44 ; J8.B10 7.1,34.44 ; J8.B10 8.13,33.41 ; J16.B11 9.16,273.18 ; J16.B11 8.13,274.21 ; J16.B11 7.1,273.18 ; J16.B11 8.13,272.15 ; 123,241.25 SFP3.14 ; SFP3.14 125,241.25 ; SFP3.14 124,240.25 ; SFP3.14 124,242.25 ; 8.13,305.17 J16.B24 ; J16.B24 7.1,306.2 ; J16.B24 9.16,306.2 ; J16.B24 8.13,307.23 ; 5.59,18.17 J8.A4 ; J8.A4 5.59,20.23 ; J8.A4 6.62,19.2 ; J8.A4 4.56,19.2 ; 8.13,382.63 J7.B8 ; J7.B8 8.13,384.69 ; J7.B8 9.16,383.66 ; J7.B8 7.1,383.66 ; J7.C1 10.67,366.91 ; J7.C1 11.7,365.88 ; J7.C1 10.67,364.85 ; J7.C1 9.64,365.88
  L2 w0.25: 45.39,166.14 46.09,166.85 ; 113.95,146.2 113.95,147.2 ; 85.8,146.2 85.8,147.2 ; 88.95,313.75 88.95,312.75 ; 33.85,219.25 34.85,219.25 ; 46.99,295.41 47.7,294.71 ; 33.85,246.5 34.85,246.5 ; 116.1,313.75 116.1,312.75
  L4 w0.13: v1(100.4,242.55) 96.35,242.55 95.8,242 95.8,230.7 98.55,227.95 v1(100.45,227.95)
  BOTTOM w0.129: v1(137.95,368.35) 138.85,369.25 C62.1 ; v1(133.9,367.25) 133.35,367.8 C68.1 133.35,368.25 133.89,368.25 v1(133.9,368.25) ; C63.1 v1(138.9,364.25)
  BOTTOM w0.13: C39.1 126,276.65 v1(126.1,276.55) ; C53.1 v1(152.2,378.7) ; C58.1 v1(146.35,361.9) ; C41.1 v1(123.15,271.5) ; SFP4.2 120.03,247.75 121.08,247.75 ; v1(97.75,250.1) 96.45,248.8 C82.1 C83.1 ; 121.08,247.75 121.08,246.72 C46.1 ; 121.08,247.75 C44.1 ; v4(58.16,291.31) R19_8.1 ; C84.1 v1(146.35,359.8) ; SFP2.2 119.62,274.35 C35.1 ; v4(44.65,224.25) R19_1.1 ; v4(93.95,302.95) R19_9.1 ; v4(117.77,307.78) 117.8,307.75 C1_6.1 ; v1(100.4,242.55) 99.75,243.2 v1(99.75,246.57) ; C1.1 92.5,251.7 ; C1_2.1 112.25,152.2 v4(112.28,152.17) ; C54.1 v1(152.2,375.25) ; C1_9.1 90.65,307.75 v4(90.62,307.78) ; C40.1 v1(129.7,253.45) ; v4(52.4,292.37) 52.44,292.37 C1_8.1 ; v1(93.25,249.03) 92.93,249.35 C80.1 C81.1 ; C1_3.1 84.1,152.2 v4(84.13,152.17) ; C1_7.1 39.85,248.2 v4(39.82,248.17) ; C3.1 v1(87.25,250.95) ; v4(44.65,251.5) R19_7.1 ; v1(126.75,246.7) 126.65,246.8 C47.1 ; v1(125.3,277.55) C30.1 ; C42.1 v1(131.15,243.15) ; v4(39.82,220.92) 39.85,220.95 C1_1.1 ; C45.1 119.95,250.4 v1(119.5,250.85) ; C31.1 v1(130.25,279.35) ; v4(49.49,177.31) R19_4.1 ; v1(119.6,249.7) 120.5,248.8 C43.1 ; C32.1 v1(123.65,279.4) ; v4(121.1,302.95) R19_6.1 ; C55.1 v1(146.4,366.2) ; C85.1 v1(146.35,357.6) ; C38.1 v1(127.5,270.8) ; v4(108.95,157) R19_2.1 ; C1_4.1 48.43,171.59 v4(48.43,171.55) ; C61.1 v1(127.95,375.55) ; v4(80.8,157) R19_3.1
  BOTTOM w0.15: v1(130.9,363.25) 131.9,362.25 C75.1 ; C69.1 v1(139.9,362.25) ; v1(133.9,371.25) C74.1 ; C76.1 v1(140.9,360.25) ; v1(131.9,370.25) 132.9,369.25 C72.1 ; C70.1 v1(139.85,366.3)
  BOTTOM w0.17: C8_10.1 120.18,67.07 v1(120.05,67.2) ; C19_10.1 112.36,75.55 v1(111.91,75.1) ; v1(114.65,67.2) 114.65,66.44 C13_10.1 ; v1(117.35,69.9) 117.94,69.9 C12_10.1 ; v1(117.35,64.5) C17_10.1
  BOTTOM w0.25: C2_1.1 39.95,215.95 v2(39.45,216.45) 39.95,216.95 C28_1.1 40.5,217.05 v4(39.55,218) ; v2(81.95,304.55) 82,304.55 C27_9.1 ; C4_7.1 49.85,246.5 v2(49.95,246.6) 50.4,246.15 C3_7.1 v2(51.2,244.7) ; v4(50.14,290.5) 50.14,289.16 C28_8.1 49.68,289.47 v2(48.97,289.47) 48.97,288.77 C2_8.1 ; v4(114.85,308.05) 113.9,307.1 C28_6.1 113.8,307.65 v2(113.3,308.15) 112.8,307.65 C2_6.1 ; C4_9.1 88.95,297.75 v2(89.05,297.65) 88.6,297.2 C3_9.1 v2(87.15,296.4) ; C2_2.1 117.25,152.3 v2(116.75,151.8) 116.25,152.3 C28_2.1 116.15,152.85 v4(115.2,151.9) ; v2(48.55,283.96) 48.58,283.99 C27_8.1 ; v1(93.25,249.03) 93.25,250.95 C2.1 ; v2(114.3,296.6) 114.5,296.6 C3_6.1 115.75,297.2 v2(116.2,297.65) 116.1,297.75 C4_6.1 ; v4(39.55,245.25) 40.5,244.3 C28_7.1 39.95,244.2 v2(39.45,243.7) 39.95,243.2 C2_7.1 ; v2(58.93,177.14) C3_4.1 57.34,177.6 v2(56.7,177.6) 56.7,177.45 C4_4.1 ; v2(51.2,217.45) C3_1.1 50.4,218.9 v2(49.95,219.35) 49.85,219.25 C4_1.1 ; C2_4.1 52.03,168.12 v2(51.33,168.12) 51.33,168.83 51.71,169.22 51.64,169.29 v4(50.3,169.29) ; C4_8.1 58.3,284.1 v2(58.45,284.1) 58.45,283.46 C3_8.1 v2(57.99,281.87) ; v2(87.6,163.55) C3_3.1 86.15,162.75 v2(85.7,162.3) 85.8,162.2 C4_3.1 ; C27_3.1 92.75,155.4 v2(92.8,155.4) ; C96.1 v1(17.7,322.05) ; v2(120.95,155.4) 120.9,155.4 C27_2.1 ; v2(43.05,212.25) 43.05,212.3 C27_1.1 ; v2(43.05,239.5) 43.05,239.55 C27_7.1 ; v2(115.75,163.55) C3_2.1 114.3,162.75 v2(113.85,162.3) 113.95,162.2 C4_2.1 ; C2_9.1 85.65,307.65 v2(86.15,308.15) 86.65,307.65 C28_9.1 86.75,307.1 v4(87.7,308.05) ; C2_3.1 89.1,152.3 v2(88.6,151.8) 88.1,152.3 C28_3.1 88,152.85 v4(87.05,151.9) ; v2(56.84,167.7) 56.81,167.73 C27_4.1 ; C27_6.1 109.15,304.55 v2(109.1,304.55)
  BOTTOM w0.5: C73.1 131.2,397.2 v1(131.55,396.85) 131.55,396.55 C71.1 ; C77.1 v1(125.8,396.7)
  vias: v1(114.65,69.9) v1(114.65,64.5) v1(115.55,68.1) v1(115.55,66.3) v1(116.45,69) v1(116.45,67.2) v1(116.45,65.4) v1(117.35,68.1) v1(117.35,66.3) v1(118.25,69) v1(118.25,67.2) v1(118.25,65.4) v1(119.15,68.1) v1(119.15,66.3) v1(120.05,64.5) v1(120.09,69.6) v3(127.14,393.4) v3(148,400.5) v3(149.5,447) v3(149.5,434.5) v3(149.5,429.5) v3(149.5,417) v3(149.5,412) v3(157.5,429.5) v3(157.85,413.5) v3(158,447)
